# Altium PCB Layout.PcbDoc
Units mm, origin at the board's own origin, x right, y up, seen from the top; angles counter-clockwise.
Board outline 99.06 x 78.1 mm, 2 copper layers (Top Layer, Bottom Layer), stack 1.58 mm thick; 34 components, 51 nets, 264 pads, 203 vias.
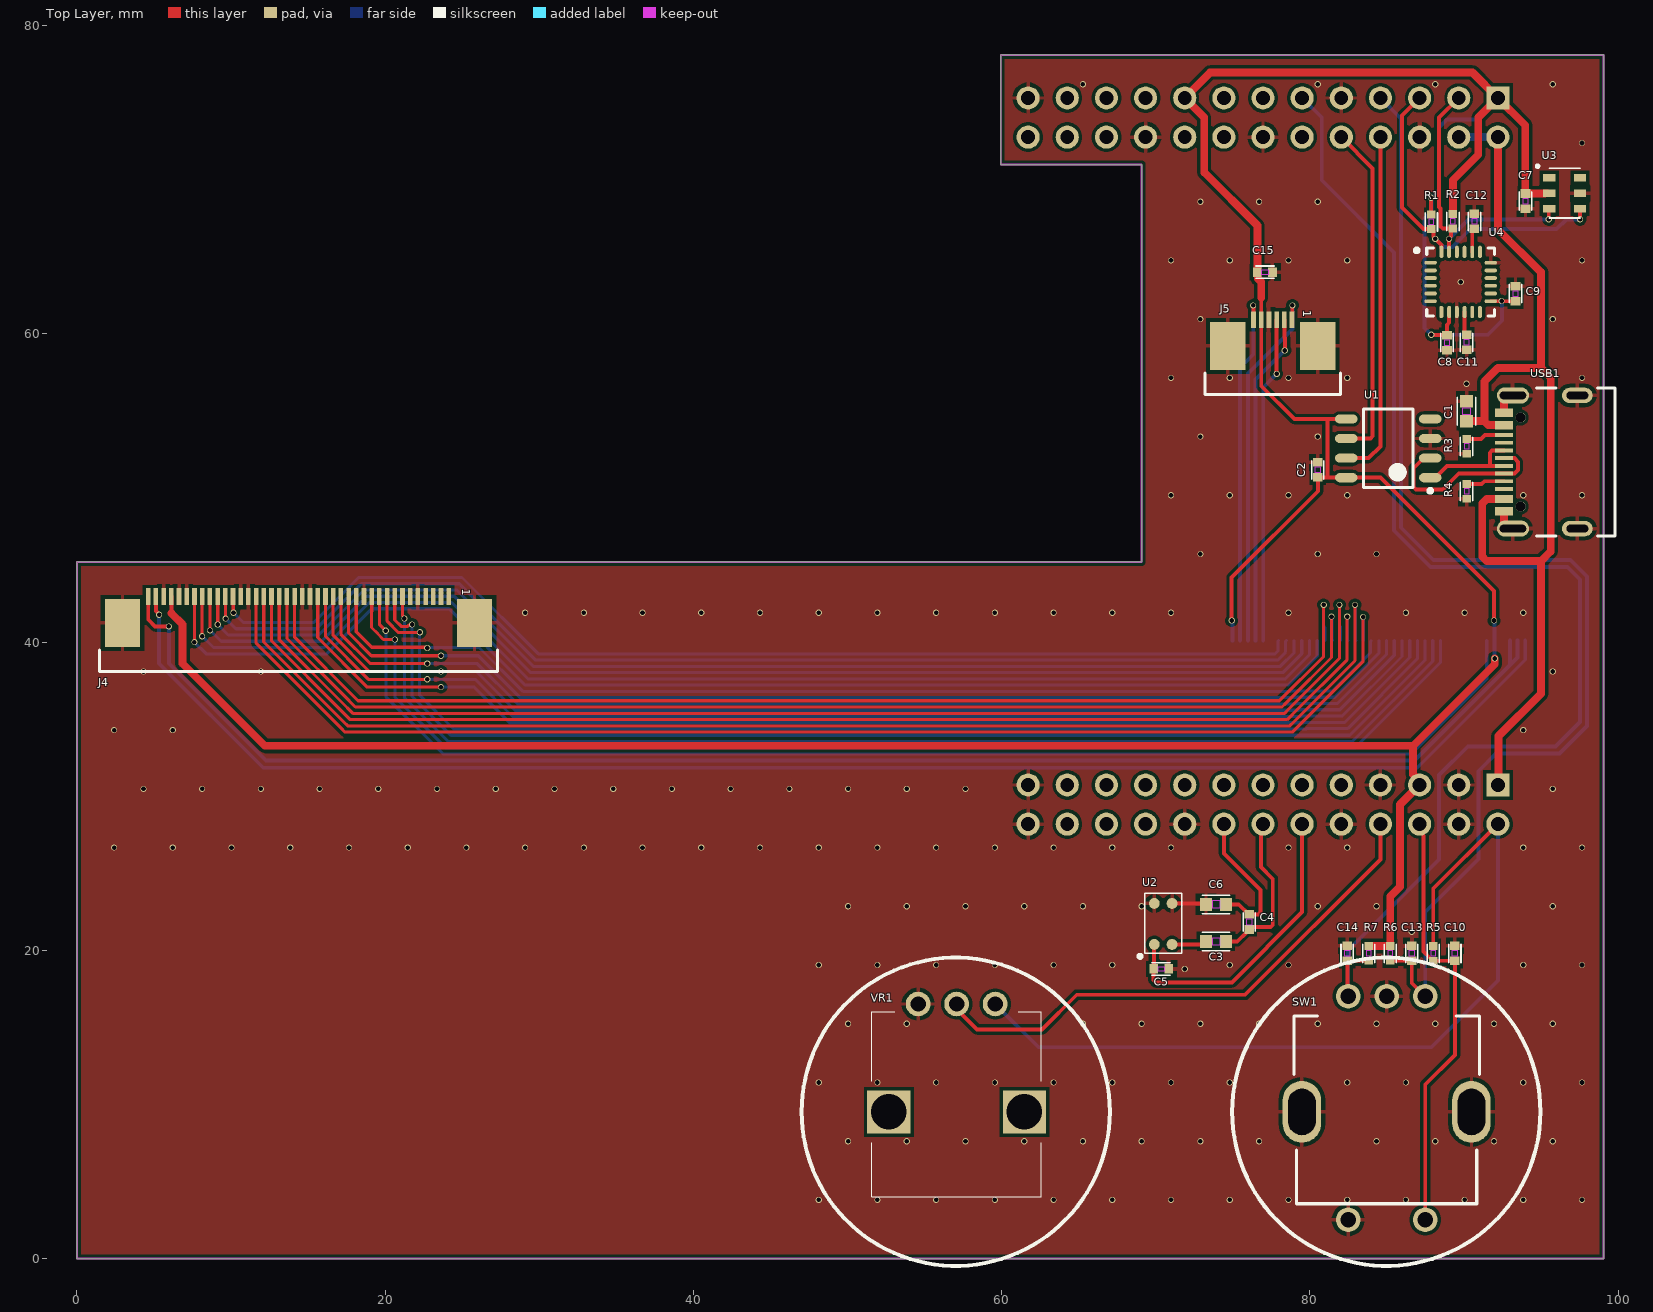
[diagram p0: Top Layer view]
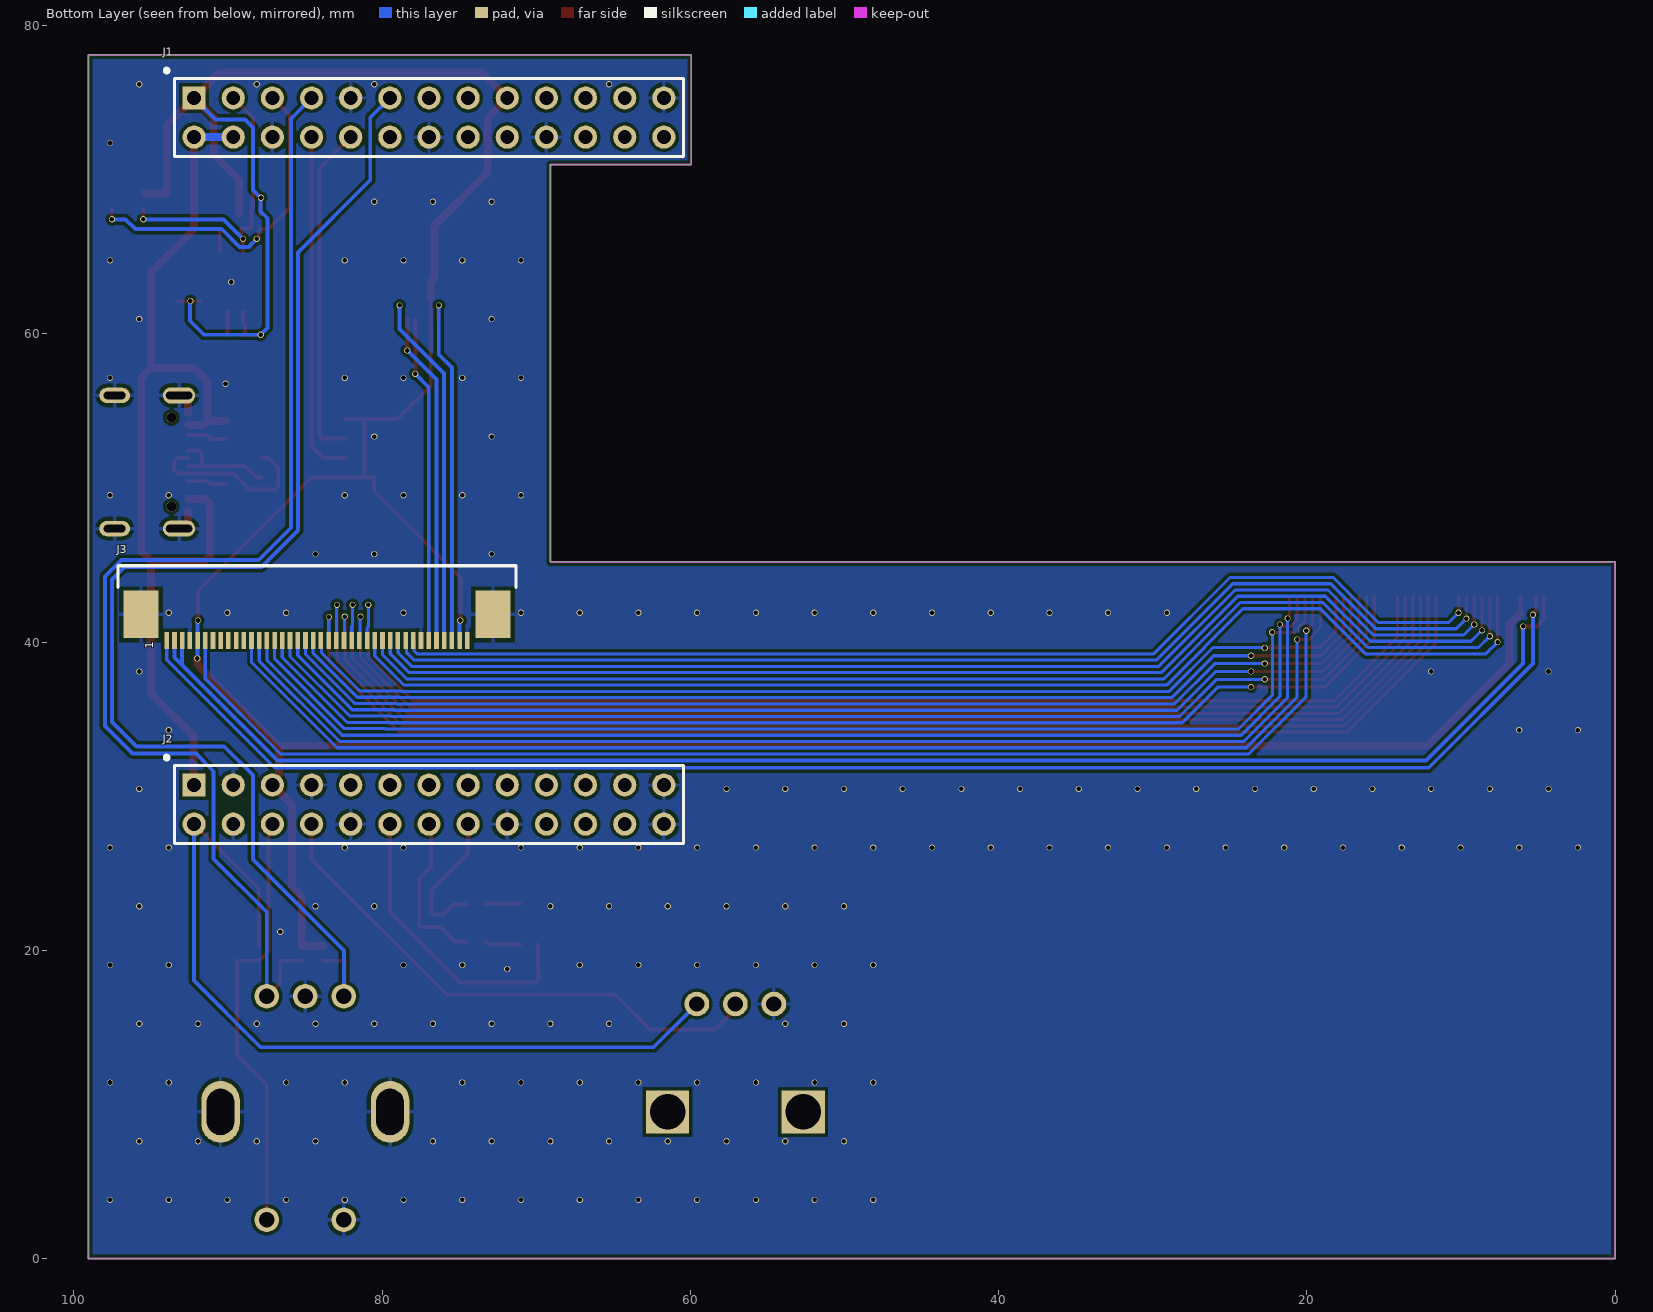
[diagram p1: Bottom Layer view, seen from below]
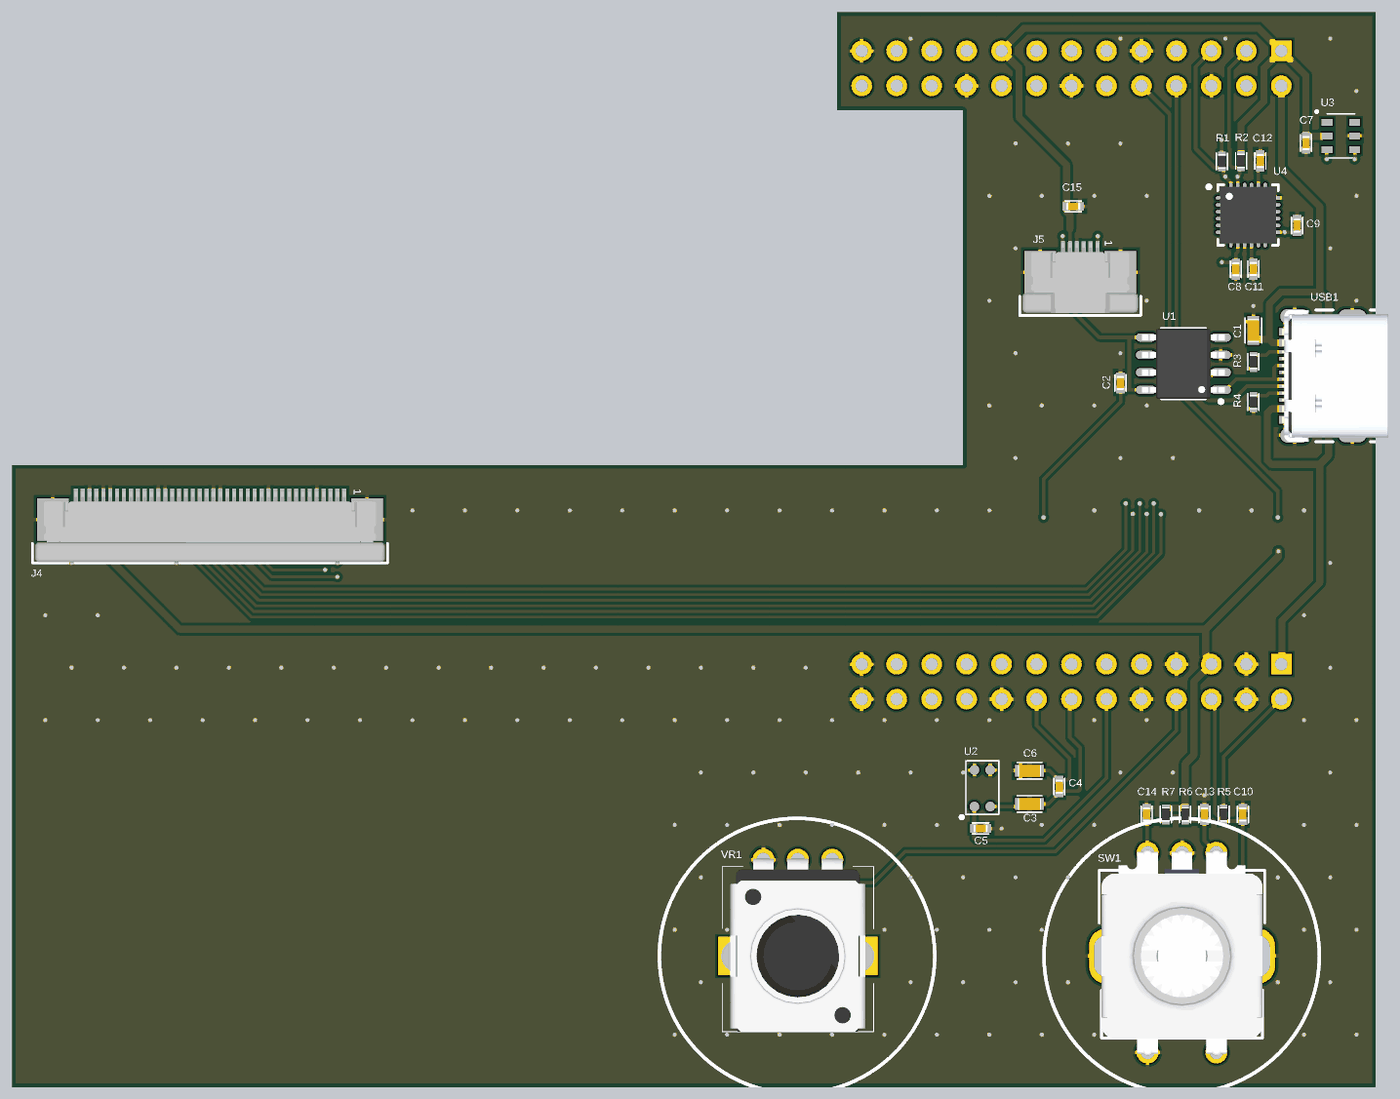
[diagram p2: 3D render of the assembled board from above, using the file's embedded part models]

## Layer stack, top to bottom
Top Solder: solder mask 0.0102, Solder Resist, Dk 3.5
Top Layer: signal copper 0.0356
Dielectric 1: dielectric 1.5088, FR-4, Dk 4.8
Bottom Layer: signal copper 0.0356
Bottom Solder: solder mask 0.0102, Solder Resist, Dk 3.5

## Board outline
0,0 0,45.212 69.088,45.212 69.088,70.993 59.944,70.993 59.944,78.105 99.06,78.105 99.06,0

## Design rules (kind name [scope] priority, off if disabled: settings)
Clearance [All] p1: gap=0.203 ignorepadtopadclearanceinfootprint=TRUE
HoleSize [All] p1: absolutevalues=TRUE maxlimit=25.4 minlimit=0.025 maxpercent=80.000 minpercent=20.000
MinimumSolderMaskSliver [All] p1 off: minsoldermaskwidth=0.254
PolygonConnect [All] p1: thpad.connectstyle=Relief thpad.reliefconductorwidth=0.254 thpad.reliefentries=4 thpad.polygonreliefangle="90 Angle" thpad.airgapwidth=0.254 smdpad.connectstyle=Relief smdpad.reliefconductorwidth=0.254 smdpad.reliefentries=4 smdpad.polygonreliefangle="90 Angle" smdpad.airgapwidth=0.254 via.connectstyle=Direct via.reliefconductorwidth=0.254 via.reliefentries=4 via.polygonreliefangle="90 Angle" via.airgapwidth=0.254
RoutingVias [All] p1: holewidth=0.3 width=0.4 viastyle="Through Hole" minholewidth=0.3 minwidth=0.4 maxholewidth=100 maxwidth=25.4
SilkToSilkClearance [All] p1 off: silktosilkclearance=0.254
SilkToSolderMaskClearance [IsPad] p1 off: minsilkscreentomaskgap=0.254 clearancetoexposedcopper=TRUE
SolderMaskExpansion [All] p1: expansion=0.102 istentingtop=FALSE
Width [All] p1: maxlimit=2.54 minlimit=0.152 preferedwidth=0.203
26 further rules are at their usual default settings.

## Components (designator, comment, footprint, x,y, rotation, side; value= is the part's Value field where it differs from the comment)
C1 "22uF" CAP-0603 90.17,54.991 r270 top
C2 "100nF" CAP-0402 80.518,51.181 r270 top
C3 "22uF" CAP-0603 73.914,20.574 r0 top
C4 "10pF" CAP-0402 76.073,21.844 r270 top
C5 "100nF" CAP-0402 70.358,18.796 r180 top
C6 "22uF" CAP-0603 73.914,22.987 r0 top
C7 "100nF" CAP-0402 93.996,68.619 r90 top
C8 "100nF" CAP-0402 88.9,59.436 r90 top
C9 "100nF" CAP-0402 93.345,62.611 r270 top
C10 "100nF" CAP-0402 89.408,19.812 r90 top
C11 "2.2nF" CAP-0402 90.17,59.454 r270 top
C12 "100nF" CAP-0402 90.678,67.31 r90 top
C13 "100nF" CAP-0402 86.614,19.812 r90 top
C14 "100nF" CAP-0402 82.423,19.812 r90 top
C15 "100nF" CAP-0402 77.089,64.008 r180 top
J1 "PZ254V-12-26P" "Conn 26P-2x13P-2.54H" 80.772,74.041 r180 bottom
J2 "PZ254V-12-26P" "Conn 26P-2x13P-2.54H" 80.772,29.464 r180 bottom
J3 "AFC07-S40ECC-00" "FPC - 40P, 0.5mm, top" 84.201,42.291 r0 bottom
J4 "AFC07-S40FCC-00" "FPC - 40P, 0.5mm, bot" 14.351,40.767 r0 top
J5 "AFC07-S06ECC-00" FPC-6P-0.5-TOP 77.597,60.071 r0 top
R1 "4.7K" RES-0402 87.884,67.277 r90 top
R2 "4.7K" RES-0402 89.281,67.31 r90 top
R3 "5.1K" RES-0402 90.17,52.705 r270 top
R4 "5.1K" RES-0402 90.17,49.784 r90 top
R5 "10K" RES-0402 88.011,19.812 r270 top
R6 "10K" RES-0402 85.217,19.812 r270 top
R7 "10K" RES-0402 83.82,19.812 r270 top
SW1 "EC11E1534408" EC11 84.989,17.02 r180 top
U1 "CH340N" SOP-8 85.09,52.578 r180 top
U2 "AP3722AT" AP3722AT 70.485,21.717 r180 top
U3 "AHT30" AHT30 96.536,69.127 r0 top
U4 "MPU-6050" QFN24-4x4MM 89.789,63.373 r0 top
USB1 "918-418K2023S40001" "1 FEMALE USB -C 16" 94.982,51.689 r90 top
VR1 "50K" "Vertical Potentiometer type 1" 57.082,13.02 r180 top

## Footprints (in the part's own frame and the unit in brackets; to place one, negate y for a bottom-side part, rotate by r counter-clockwise, add the part's x,y. Pads: shape width x height; smd on the part's side, far side on the other; paste and mask are expansions set on the pad)
"1 FEMALE USB -C 16" [mm]
  rect 0.55x1.15 smd: "A1 - B12"(-3.2,2.377) "A4 - B9"(-2.4,2.377) "A9 - B4"(2.4,2.377) "A12 - B1"(3.2,2.377)
  rect 0.25x1.15 smd: A5(-1.25,2.377) A6(-0.25,2.377) A7(0.25,2.377) A8(1.25,2.377) B5(1.75,2.377) B6(0.75,2.377) B7(-0.75,2.377) B8(-1.75,2.377)
  oval 1x2 hole 0.5 slot 1.4 at 90 deg: Shell(-4.32,-2.378) Shell(4.32,-2.378)
  oval 1x2 on Top Paste: Shell(-4.32,-2.378) Shell(4.32,-2.378)
  oval 1.05x2.1 hole 0.5 slot 1.7 at 90 deg: Shell(-4.32,1.802) Shell(4.32,1.802)
  oval 1.05x2.1 on Top Paste: Shell(-4.32,1.802) Shell(4.32,1.802)
  round 0.65 hole 0.65 unplated: ""(-2.89,1.302) ""(2.89,1.302)
  silkscreen extent -4.79,-4.83 4.79,0.27, body extent -4.79,-4.96 4.79,2.75, height 3.31
AHT30 [mm]
  rect 0.8x0.5 smd: 1(-1,1) 2(-1,0) 3(-1,-1) 4(1,-1) 5(1,0) 6(1,1)
  silkscreen extent -1.84,-1.6 1,1.84, body extent -1.5,-1.5 1.5,1.5, height 1
AP3722AT [mm]
  round 0.7 smd: 1(0.575,1.33) 2(0.575,-1.33) 3(-0.575,-1.33) 4(-0.575,1.33)
  silkscreen extent -1.2,-2 1.6,2.2, body extent -1.12,-1.88 1.12,1.88, height 0.87
CAP-0402 [mm] "Chip Capacitor, 2-Leads, Body 1.00x0.50mm, IPC High Density"
  rect 0.56x0.62 smd mask+0.051: 1(-0.49,0) 2(0.49,0)
  Top Layer keep-out region: -0.2,0.152 0.2,0.152 0.2,-0.152 -0.2,-0.152
  silkscreen extent -0.6,-0.4 0.6,0.4, body extent -0.53,-0.28 0.53,0.28, height 0.5
CAP-0603 [mm] "Chip Capacitor, 2-Leads, Body 1.60x0.80mm, IPC High Density"
  rect 0.8x0.85 smd: 1(-0.65,0) 2(0.65,0)
  Top Layer keep-out region: -0.229,0.254 0.229,0.254 0.229,-0.254 -0.229,-0.254
  silkscreen extent -0.9,-0.6 0.9,0.6, body extent -0.85,-0.45 0.85,0.45, height 0.8
"Conn 26P-2x13P-2.54H" [mm]
  rect 1.5x1.5 hole 0.9: 1(-11.43,1.27)
  round 1.5 hole 0.9: 2(-11.43,-1.27) 3(-8.89,1.27) 4(-8.89,-1.27) 5(-6.35,1.27) 6(-6.35,-1.27) 7(-3.81,1.27) 8(-3.81,-1.27) 9(-1.27,1.27) 10(-1.27,-1.27) 11(1.27,1.27) 12(1.27,-1.27) 13(3.81,1.27) 14(3.81,-1.27) 15(6.35,1.27) 16(6.35,-1.27) 17(8.89,1.27) 18(8.89,-1.27) 19(11.43,1.27) 20(11.43,-1.27) 21(13.97,1.27) 22(13.97,-1.27) 23(16.51,1.27) 24(16.51,-1.27) 25(19.05,1.27) 26(19.05,-1.27)
  silkscreen extent -13.31,-2.54 20.32,3.15, body extent -12.7,-2.54 20.32,2.54, height 7
EC11 [mm] "Encoder"
  oval 2.5x4 hole 1.8 slot 3 at 90 deg: 0(-5.5,7.5) 0(5.5,7.5)
  round 1.6 hole 1: A(-2.5,0) B(2.5,0) C(0,0) D(-2.5,14.5) E(2.5,14.5)
  silkscreen extent -6.01,1.27 6.01,13.46, body extent -5.86,-0.23 5.86,14.72, height 19.5
"FPC - 40P, 0.5mm, bot" [mm]
  rect 2.3x3.1 smd mask+0.076: 0(-11.393,0.484) 0(11.447,0.484)
  rect 0.3x1.1 smd mask+0.025: 1(9.777,2.184) 2(9.277,2.184) 3(8.777,2.184) 4(8.277,2.184) 5(7.777,2.184) 6(7.277,2.184) 7(6.777,2.184) 8(6.277,2.184) 9(5.777,2.184) 10(5.277,2.184) 11(4.777,2.184) 12(4.277,2.184) 13(3.777,2.184) 14(3.277,2.184) 15(2.777,2.184) 16(2.277,2.184) 17(1.777,2.184) 18(1.277,2.184) 19(0.777,2.184) 20(0.277,2.184) 21(-0.223,2.184) 22(-0.723,2.184) 23(-1.223,2.184) 24(-1.723,2.184) 25(-2.223,2.184) 26(-2.723,2.184) 27(-3.223,2.184) 28(-3.723,2.184) 29(-4.223,2.184) 30(-4.723,2.184) 31(-5.223,2.184) 32(-5.723,2.184) 33(-6.223,2.184) 34(-6.723,2.184) 35(-7.223,2.184) 36(-7.723,2.184) 37(-8.223,2.184) 38(-8.723,2.184) 39(-9.223,2.184) 40(-9.723,2.184)
  silkscreen extent -12.87,-2.67 12.93,-1.27, body extent -12.69,-2.62 12.74,2.49, height 2.05
"FPC - 40P, 0.5mm, top" [mm]
  rect 2.3x3.1 smd mask+0.076: 0(-11.393,0.484) 0(11.447,0.484)
  rect 0.3x1.1 smd mask+0.025: 1(9.777,2.184) 2(9.277,2.184) 3(8.777,2.184) 4(8.277,2.184) 5(7.777,2.184) 6(7.277,2.184) 7(6.777,2.184) 8(6.277,2.184) 9(5.777,2.184) 10(5.277,2.184) 11(4.777,2.184) 12(4.277,2.184) 13(3.777,2.184) 14(3.277,2.184) 15(2.777,2.184) 16(2.277,2.184) 17(1.777,2.184) 18(1.277,2.184) 19(0.777,2.184) 20(0.277,2.184) 21(-0.223,2.184) 22(-0.723,2.184) 23(-1.223,2.184) 24(-1.723,2.184) 25(-2.223,2.184) 26(-2.723,2.184) 27(-3.223,2.184) 28(-3.723,2.184) 29(-4.223,2.184) 30(-4.723,2.184) 31(-5.223,2.184) 32(-5.723,2.184) 33(-6.223,2.184) 34(-6.723,2.184) 35(-7.223,2.184) 36(-7.723,2.184) 37(-8.223,2.184) 38(-8.723,2.184) 39(-9.223,2.184) 40(-9.723,2.184)
  silkscreen extent -12.87,-2.67 12.93,-1.27, body extent -12.69,-2.62 12.74,2.49, height 2.05
FPC-6P-0.5-TOP [mm]
  rect 2.3x3.1 smd mask+0.076: 0(-2.92,-0.85) 0(2.92,-0.85)
  rect 0.3x1.1 smd mask+0.025: 1(1.25,0.85) 2(0.75,0.85) 3(0.25,0.85) 4(-0.25,0.85) 5(-0.75,0.85) 6(-1.25,0.85)
  silkscreen extent -4.4,-4 4.4,-2.6, body extent -4.22,-3.81 4.22,1.3, height 2.05
QFN24-4x4MM [mm]
  oval 0.8x0.25 smd: 1(-1.95,1.25) 2(-1.95,0.75) 3(-1.95,0.25) 4(-1.95,-0.25) 5(-1.95,-0.75) 6(-1.95,-1.25) 13(1.95,-1.25) 14(1.95,-0.75) 15(1.95,-0.25) 16(1.95,0.25) 17(1.95,0.75) 18(1.95,1.25)
  oval 0.25x0.8 smd: 7(-1.25,-1.95) 8(-0.75,-1.95) 9(-0.25,-1.95) 10(0.25,-1.95) 11(0.75,-1.95) 12(1.25,-1.95) 19(1.25,1.95) 20(0.75,1.95) 21(0.25,1.95) 22(-0.25,1.95) 23(-0.75,1.95) 24(-1.25,1.95)
  silkscreen extent -2.97,-2.2 2.2,2.2, body extent -2.06,-2.06 2.06,2.06, height 0.9
RES-0402 [mm]
  rect 0.5x0.55 smd mask+0.051: 1(-0.475,0) 2(0.475,0)
  Top Layer keep-out region: -0.2,0.127 0.2,0.127 0.2,-0.127 -0.2,-0.127
  silkscreen extent -0.6,-0.4 0.6,0.4, body extent -0.53,-0.28 0.53,0.28, height 0.35
SOP-8 [mm]
  oval 1.45x0.6 smd: 1(-2.725,1.905) 2(-2.725,0.635) 3(-2.725,-0.635) 4(-2.725,-1.905) 5(2.725,-1.905) 6(2.725,-0.635) 7(2.725,0.635) 8(2.725,1.905)
  silkscreen extent -2.85,-2.55 1.6,2.88, body extent -3,-2.55 3,2.55, height 1.5
"Vertical Potentiometer type 1" [mm]
  rect 2.8x2.8 hole 2.3: 0(-4.4,3.5) 0(4.4,3.5)
  round 1.6 hole 1: 1(-2.5,-3.5) 2(0,-3.5) 3(2.5,-3.5)
  silkscreen extent -5.5,-3 5.5,9, body extent -5.66,-3.6 5.66,9, height 3.4

## Part data
C1 C3 C6: library part 0603X226M6R3CT, "22uF ±20% 6.3V X5R 0603 Multilayer Ceramic Capacitors MLCC - SMD/SMT RoHS", Manufacture=WALSIN, Package=0603, Package / Case=0402, Voltage=6.3V, Capacitor value=22uF, Component type=Capacitor, Manufacture part=0603X226M6R3CT
C2 C5 C7 C8 C9 C10 C12 C13 C14 C15: library part 0402X104K250CT, "100nF ±10% 25V X5R 0402 Multilayer Ceramic Capacitors MLCC - SMD/SMT RoHS", Manufacture=WALSIN, Package=0402, Voltage=25V, Capacitor value=100nF, Component type=Capacitor, Manufacture part=0402X104K250CT, Package / Case=0402
C4: library part 0402N100J500CT, "10pF ±5% 50V NP0 0402 Multilayer Ceramic Capacitors MLCC - SMD/SMT RoHS", Manufacture=WALSIN, Package=0402, Voltage=50V, Capacitor value=10pF, Component type=Capacitor, Manufacture part=0402N100J500CT, Package / Case=0402
C11: library part 0402B222K500CT, "50V 2.2nF X7R ±10% 0402 Multilayer Ceramic Capacitors MLCC - SMD/SMT ROHS", Manufacture=WALSIN, Package=0402, Voltage=50V, Capacitor value=2.2nF, Component type=Capacitor, Manufacture part=0402B222K500CT, Package / Case=0402
J1 J2: "Pin Header 26 2 Straight，180degrees 2.54mm Through Hole,P=2.54mm Pin Header & Female Header RoHS", Manufacture=XFCN, Datasheet=https://datasheet.lcsc.com/lcsc/2003141409_XFCN-PZ254V-11-02P_C492401.pdf, Manufacture part=PZ254V-12-26P, Type="Pin Header"
J3: "Contact,Top 40 0.020\"（0.50mm） 0.079\"（2.00mm） Slide Lock 40P FFC, FPC Connectors RoHS", Manufacture=JUSHUO, Datasheet=https://datasheet.lcsc.com/lcsc/JUSHUO-AFC07-S40ECC-00_C11097.pdf, Manufacture part=AFC07-S40ECC-00, Type=FPC
J4: "Bottom Contact 40 0.020\"（0.50mm） 0.079\"（2.00mm） Slide Lock 40P FFC, FPC Connectors RoHS", Manufacture=JUSHUO, Datasheet=https://datasheet.lcsc.com/lcsc/JUSHUO-AFC07-S40FCC-00_C11062.pdf, Manufacture part=AFC07-S40FCC-00, Type=FPC
J5: "Slide Lock Contact,Top 6P (0.50mm) FFC/FPC Connectors ROHS", Manufacture=JUSHUO, Datasheet=https://datasheet.lcsc.com/lcsc/1811021327_JUSHUO-AFC07-S06ECC-00_C11083.pdf, Manufacture part=AFC07-S06ECC-00, Type=FPC
R1 R2: library part WR04X4701FTL, "4.7kΩ ±1% 1/16W ±100ppm/℃ 0402 Chip Resistor - Surface Mount RoHS", Manufacture=WALSIN, Package=0402, Package / Case=0201, Component type=Resistor, Manufacture part=WR04X4701FTL, Resistor value=4.7K
R3 R4: library part WR04X5101FTL, "5.1kΩ ±1% 1/16W ±100ppm/℃ 0402 Chip Resistor - Surface Mount RoHS", Manufacture=WALSIN, Package=0402, Package / Case=0201, Component type=Resistor, Manufacture part=WR04X5101FTL, Resistor value=5.1K
R5 R6 R7: library part WR04X1002FTL, "10kΩ ±1% 1/16W ±100ppm/℃ 0402 Chip Resistor - Surface Mount RoHS", Manufacture=WALSIN, Package=0402, Package / Case=0201, Component type=Resistor, Manufacture part=WR04X1002FTL, Resistor value=10K
SW1: "DIP Rotary Encoders", Manufacture=ALPSALPINE, Datasheet=https://datasheet.lcsc.com/lcsc/1809181724_ALPSALPINE-EC11E1534408_C278348.pdf, Manufacture part=EC11E1534408, Type="Rotary Encoders"
U1: "Transceiver USB 2.0 2Mbps SOP-8 USB ICs RoHS", Manufacture=WCH, Package=SOP-8, Datasheet=https://datasheet.lcsc.com/lcsc/2202231130_WCH-Jiangsu-Qin-Heng-CH340N_C2977777.pdf, Manufacture part=CH340N
U2: "SMD,3.76x2.24x1.1mm MEMS Microphones ROHS", Manufacture="ALLPOWER(ShenZhen Quan Li Semiconductor)", Package=N/A, Datasheet=https://datasheet.lcsc.com/lcsc/2011200934_ALLPOWER-ShenZhen-Quan-Li-Semiconductor-AP3722AT_C918198.pdf, Manufacture part=AP3722AT
U3: "I2C Temperature and Humidity Sensor", Manufacture=Aosong, Package=3x3mm, Datasheet=https://github.com/libdriver/aht30/blob/main/datasheet/aht30_datasheet.pdf, Manufacture part=AHT30
U4: "6-axis accelerometer/gyroscope", Manufacture="TDK InvenSense", Package="QFN-24 (4x4)", Datasheet=https://datasheet.lcsc.com/lcsc/1811071024_TDK-InvenSense-MPU-6050_C24112.pdf, Manufacture part=MPU-6050
USB1: "USB - Type C Female 16 SMD USB Connectors RoHS", Manufacture="Jing Extension of the Electronic Co.", Datasheet=https://datasheet.lcsc.com/lcsc/2103051833_Jing-Extension-of-the-Electronic-Co-918-418K2023S40001_C167321.pdf, Manufacture part=918-418K2023S40001, Type=USB-C
VR1: library part RK09D1130C4G, "20V ±20% 50mW 50kΩ Plugin Variable Resistors/Potentiometers ROHS", Manufacture=ALPSALPINE, Package=Potentiometer, Manufacture part=RK09D1130C4G, Resistor value=50K

## Via types
v1: diameter 0.4, hole 0.3, Top Layer to Bottom Layer, tented both sides, 203 vias

## Nets (pads, with @x,y where several pads share a name; then routed paths per layer and width w, separated by ;. In a path a pad name is that pad's centre, name@x,y a point inside that pad or via, vN(x,y) a via of type N, cw(c..) or ccw(c..) an arc to the next point about the centre after c; other vN are vias at no path point)
1V8: J2.2 R5.1 VR1.1 | length 55.4
  Top Layer w0.254: R5.1 88.011,24.003 J2.2
  Bottom Layer w0.254: VR1.1 62.386,13.716 87.884,13.716 92.202,18.034 J2.2
3V3: C2.2 C7.2 C8.2 C9.2 C15.2 J1.1 J1.17 J2.5 J3.5 J3.39 J4.37 J5.5 R1.2 R2.2 R6.1 R7.1 U1.5 U1.8 U3.2 U4.8 U4.13 | length 241.6
  Top Layer w0.254: 6.128,41.878 J4.37 ; v1(74.93,41.402) 74.93,44.196 80.527,49.793 80.527,50.682 81.158,50.682 ; 76.847,62.345 J5.5 76.847,59.829 76.847,56.63 78.994,54.483 81.158,54.483 ; U1.8 84.582,50.673 91.948,43.307 v1(91.948,41.402) ; U1.8@82.365,50.682 81.158,50.682 ; U1.5 81.158,54.483 ; v1(87.862,68.834) 87.873,68.823 87.873,67.763 R1.2 ; v1(87.884,59.944) 87.893,59.935 88.891,59.935 C8.2 88.9,60.587 89.037,60.724 89.037,61.421 U4.8 ; U4.13 91.74,62.122 C9.2 C9.2 ; 81.158,50.682 81.158,54.483
  Top Layer w0.508: 6.128,41.878 6.858,41.148 6.858,38.608 12.192,33.274 86.701,33.274 ; 76.847,62.345 76.847,63.373 76.625,63.595 76.625,63.982 C15.2 76.599,67.038 73.152,70.485 73.152,74.041 J1.17 73.533,76.962 90.551,76.962 J1.1 ; R7.1 R6.1 85.217,23.495 85.852,24.13 85.852,29.464 J2.5 87.122,31.002 86.701,31.423 86.701,33.274 ; R2.2 89.281,69.977 90.932,71.628 90.932,74.041 J1.1 ; v1(91.999,38.938) 91.999,38.572 86.701,33.274 ; U3.2@95.39,69.123 95.235,69.123 95.221,69.109 93.98,69.109 93.98,73.533 J1.1
  Bottom Layer w0.254: v1(74.93,41.402) 74.978,41.354 J3.39 ; v1(87.862,68.834) 87.884,68.812 87.884,67.935 87.452,67.503 87.452,60.376 v1(87.884,59.944) 91.567,59.944 92.477,60.854 92.477,62 92.474,62.002 92.474,62.106 v1(92.446,62.134) ; v1@87.884,68.834 88.392,69.342 88.392,73.406 88.9,73.914 90.805,73.914 J1.1 ; v1(91.948,41.402) 91.978,41.372 J3.5 91.989,40.097 91.989,38.948 v1(91.999,38.938)
5V: "USB1.A4 - B9" "USB1.A9 - B4" C1.2 J1.2 J1.4 J2.1 | length 65.5
  Top Layer w0.508: C1.2 91.328,54.341 ; J2.1 92.248,30.78 92.248,33.909 94.996,36.657 94.996,45.256 ; J1.2 92.202,66.802 94.996,64.008 94.996,57.785 ; 92.605,49.289 91.484,49.289 91.186,48.991 91.186,45.553 91.484,45.256 94.996,45.256 ; 92.605,54.089 91.58,54.089 91.328,54.341 ; 91.328,54.341 91.328,56.911 92.202,57.785 94.996,57.785 ; 94.996,45.256 95.631,45.891 95.631,57.15 94.996,57.785
  Bottom Layer w0.508: J1.4 J1.2
ADC0_1V8: C10.1 J2.6 R5.2 SW1.D | length 28.2
  Top Layer w0.254: J2.6 87.36,27.956 87.36,27.438 87.376,27.422 87.376,19.93 87.846,19.46 87.888,19.46 R5.2 88.018,19.33 89.4,19.33 C10.1 89.408,13.208 87.489,11.289 SW1.D
ADC1_1V8: J2.8 VR1.2 | length 35.5
  Top Layer w0.254: VR1.2@57.082,16.823 VR1.2 57.082,16.192 58.414,14.859 62.611,14.859 64.875,17.123 75.797,17.123 84.582,25.908 J2.8
Console_RX: J1.10 U1.6 | length 22
  Top Layer w0.254: J1.10 84.074,70.739 84.074,53.362 83.925,53.213 U1.6
Console_TX: J1.8 U1.7 | length 22.6
  Top Layer w0.254: U1.7 83.82,51.943 84.582,52.705 J1.8
GND: "USB1.A1 - B12" "USB1.A12 - B1" C1.1 C2.1 C5.1 C6.1 C7.1 C8.1 C9.1 C10.2 C11.2 C12.2 C13.2 C14.2 C15.1 J1.6 J1.9 J1.14 J1.20 J1.25 J2.3 J2.4 J2.7 J2.10 J2.18 J2.25 J2.26 J3.0 J3.4 J3.34 J3.40 J4.0 J4.5 J4.12 J4.19 J4.20 J4.27 J4.28 J4.35 J4.36 J4.38 J5.0 J5.4 R3.2 R4.1 SW1.0 SW1.C SW1.E U1.3 U2.2 U2.3 U3.5 U4.9 U4.18 USB1.Shell@93.18,47.369 USB1.Shell@93.18,56.009 USB1.Shell@97.36,47.369 USB1.Shell@97.36,56.009 VR1.3 | length 5.2
  Top Layer w0.254: U2.3 73.204,23.047 C6.1 ; USB1.Shell@92.605,47.737 92.972,47.369 USB1.Shell@93.18,47.369 ; USB1.Shell@92.605,55.641 92.972,56.009 USB1.Shell@93.18,56.009
  Top Layer w0.508: USB1.Shell@92.605,47.737 92.605,48.489 ; 92.605,54.889 USB1.Shell@92.605,55.641
  other v1: 48.133,3.81 51.943,3.81 55.753,3.81 59.563,3.81 63.373,3.81 67.183,3.81 70.993,3.81 74.803,3.81 78.613,3.81 82.423,3.81 86.233,3.81 90.043,3.81 93.853,3.81 97.663,3.81 50.038,7.62 53.848,7.62 57.658,7.62 61.468,7.62 65.278,7.62 69.088,7.62 72.898,7.62 76.708,7.62 84.328,7.62 88.138,7.62 91.948,7.62 95.758,7.62 48.133,11.43 51.943,11.43 55.753,11.43 59.563,11.43 63.373,11.43 67.183,11.43 70.993,11.43 74.803,11.43 82.423,11.43 86.233,11.43 93.853,11.43 97.663,11.43 50.038,15.24 53.848,15.24 65.278,15.24 69.088,15.24 72.898,15.24 76.708,15.24 80.518,15.24 84.328,15.24 88.138,15.24 91.948,15.24 95.758,15.24 71.882,18.796 48.133,19.05 51.943,19.05 55.753,19.05 59.563,19.05 63.373,19.05 67.183,19.05 74.803,19.05 78.613,19.05 93.853,19.05 97.663,19.05 86.614,21.209 50.038,22.86 53.848,22.86 57.658,22.86 61.468,22.86 65.278,22.86 69.088,22.86 80.518,22.86 84.328,22.86 95.758,22.86 2.413,26.67 6.223,26.67 10.033,26.67 13.843,26.67 17.653,26.67 21.463,26.67 25.273,26.67 29.083,26.67 32.893,26.67 36.703,26.67 40.513,26.67 44.323,26.67 48.133,26.67 51.943,26.67 55.753,26.67 59.563,26.67 63.373,26.67 67.183,26.67 70.993,26.67 78.613,26.67 82.423,26.67 93.853,26.67 97.663,26.67 4.318,30.48 8.128,30.48 11.938,30.48 15.748,30.48 19.558,30.48 23.368,30.48 27.178,30.48 30.988,30.48 34.798,30.48 38.608,30.48 42.418,30.48 46.228,30.48 50.038,30.48 53.848,30.48 57.658,30.48 95.758,30.48 2.413,34.29 6.223,34.29 93.853,34.29 4.318,38.1 11.938,38.1 95.758,38.1 29.083,41.91 32.893,41.91 36.703,41.91 40.513,41.91 44.323,41.91 48.133,41.91 51.943,41.91 55.753,41.91 59.563,41.91 63.373,41.91 67.183,41.91 70.993,41.91 78.613,41.91 86.233,41.91 90.043,41.91 93.853,41.91 72.898,45.72 80.518,45.72 84.328,45.72 70.993,49.53 74.803,49.53 78.613,49.53 82.423,49.53 93.853,49.53 97.663,49.53 72.898,53.34 80.518,53.34 90.17,56.769 70.993,57.15 74.803,57.15 78.613,57.15 82.423,57.15 97.663,57.15 72.898,60.96 95.758,60.96 89.789,63.373 70.993,64.77 74.803,64.77 78.613,64.77 82.423,64.77 97.663,64.77 72.898,68.58 76.708,68.58 80.518,68.58 97.663,72.39 65.278,76.2 80.518,76.2 88.138,76.2 95.758,76.2
IO_0: C13.1 J1.7 R6.2 SW1.A | length 79.9
  Top Layer w0.254: R6.2 85.224,19.33 86.606,19.33 C13.1 86.614,17.895 SW1.A
  Bottom Layer w0.254: J1.7 85.928,73.965 85.928,47.422 88.011,45.339 96.92,45.339 97.993,44.266 97.993,34.558 96.201,32.766 92.075,32.766 90.932,31.623 90.932,25.939 87.489,22.496 SW1.A
IO_1: C14.1 J1.11 R7.2 SW1.B | length 84.3
  Top Layer w0.254: SW1.B 82.456,17.053 82.456,19.289 C14.1 82.431,19.33 83.813,19.33 R7.2
  Bottom Layer w0.254: J1.11 80.772,74.041 80.772,69.977 85.471,65.278 85.471,47.232 87.822,44.882 96.731,44.882 97.536,44.076 97.536,34.817 95.942,33.223 90.246,33.223 88.392,31.369 88.392,25.908 82.489,20.005 SW1.B
LCD_CLK: J3.12 J4.11 | length 80.5
  Top Layer w0.203: J4.11 19.128,41.981 19.118,41.971 19.118,40.953 19.533,40.538 19.533,40.53 19.888,40.175 v1(20.633,40.175)
  Bottom Layer w0.203: v1(20.633,40.175) 20.633,36.444 23.93,33.147 82.931,33.147 88.478,38.694 J3.12
LCD_DB0: J3.16 J4.18 | length 78.7
  Top Layer w0.203: J4.18 15.628,40.299 18.843,37.084 v1(23.622,37.084)
  Bottom Layer w0.203: v1(23.622,37.084) 25.781,37.084 28.092,34.773 79.596,34.773 79.622,34.798 82.283,34.798 86.487,39.002 86.487,40.098 J3.16
LCD_DB1: J3.17 J4.17 | length 77.2
  Top Layer w0.203: J4.17 16.128,40.374 18.913,37.589 v1(22.733,37.589)
  Bottom Layer w0.203: v1(22.733,37.589) 25.851,37.589 28.261,35.179 79.428,35.179 79.453,35.204 82.115,35.204 85.978,39.068 J3.17
LCD_DB2: J3.18 J4.16 | length 75.8
  Top Layer w0.203: J4.16 16.628,40.449 18.977,38.1 v1(23.622,38.1)
  Bottom Layer w0.203: v1(23.622,38.1) 25.914,38.1 28.429,35.585 79.26,35.585 79.285,35.611 81.946,35.611 85.478,39.142 J3.18
LCD_DB3: J3.19 J4.15 | length 74.4
  Top Layer w0.203: J4.15 17.128,40.524 19.047,38.605 v1(22.733,38.605)
  Bottom Layer w0.203: v1(22.733,38.605) 25.984,38.605 28.597,35.992 79.091,35.992 79.117,36.017 81.778,36.017 84.978,39.217 J3.19
LCD_DB4: J3.20 J4.14 | length 73
  Top Layer w0.203: J4.14 17.628,40.598 19.11,39.116 v1(23.622,39.116)
  Bottom Layer w0.203: v1(23.622,39.116) 26.048,39.116 28.766,36.398 78.923,36.398 78.948,36.424 81.61,36.424 84.478,39.292 J3.20
LCD_DB5: J3.21 J4.13 | length 71.6
  Top Layer w0.203: J4.13 18.128,40.673 19.131,39.67 22.56,39.67 22.572,39.658 22.695,39.658 v1(22.733,39.621)
  Bottom Layer w0.203: v1(22.733,39.621) 22.762,39.649 26.089,39.649 28.934,36.805 78.755,36.805 78.78,36.83 81.441,36.83 83.933,39.321 83.933,40.062 J3.21
LCD_DB6: J3.22 J4.26 | length 83.6
  Top Layer w0.203: J4.26 11.628,39.934 16.891,34.671 17.145,34.417 17.399,34.163 78.867,34.163 79.121,34.417 79.375,34.671 83.459,38.755 v1(83.459,41.636)
  Bottom Layer w0.203: v1(83.459,41.636) 83.469,41.626 83.469,40.117 J3.22
LCD_DB7: J3.23 J4.25 | length 83.7
  Top Layer w0.203: J4.25 12.128,40.009 17.059,35.077 17.313,34.823 17.567,34.569 78.699,34.569 78.953,34.823 79.207,35.077 82.931,38.802 v1(82.931,42.418)
  Bottom Layer w0.203: v1(82.931,42.418) 82.954,42.395 82.954,40.131 J3.23
LCD_DB8: J3.24 J4.24 | length 80.7
  Top Layer w0.203: J4.24 12.628,40.083 17.228,35.484 17.482,35.23 17.736,34.976 78.53,34.976 78.784,35.23 79.038,35.484 82.423,38.868 v1(82.423,41.656)
  Bottom Layer w0.203: v1(82.423,41.656) 82.45,41.629 82.45,40.135 J3.24
LCD_DB9: J3.25 J4.23 | length 80.8
  Top Layer w0.203: J4.23 13.128,40.158 17.396,35.89 17.65,35.636 17.904,35.382 78.362,35.382 78.616,35.636 78.87,35.89 81.915,38.935 v1(81.915,42.418)
  Bottom Layer w0.203: v1(81.915,42.418) 81.915,41.069 81.978,41.006 J3.25
LCD_DB10: J3.26 J4.22 | length 77.9
  Top Layer w0.203: J4.22 13.628,40.233 17.564,36.297 17.818,36.043 18.072,35.789 78.194,35.789 78.448,36.043 78.702,36.297 81.407,39.002 81.407,41.655 v1(81.41,41.658)
  Bottom Layer w0.203: v1(81.41,41.658) 81.442,41.625 81.442,40.143 J3.26
LCD_DB11: J3.27 J4.21 | length 78
  Top Layer w0.203: J4.21 14.128,40.308 18.241,36.195 78.025,36.195 80.899,39.069 v1(80.899,42.418)
  Bottom Layer w0.203: v1(80.899,42.418) 80.899,41.021 80.978,40.942 J3.27
LCD_DB12: J3.28 J4.34 | length 81.2
  Top Layer w0.203: v1(7.62,40.005) 7.62,41.278 7.624,41.282 7.624,42.947 J4.34
  Bottom Layer w0.203: v1(7.62,40.005) 8.382,39.243 16.209,39.243 19.13,42.164 24.149,42.164 29.102,37.211 78.586,37.211 80.478,39.103 J3.28
LCD_DB13: J3.29 J4.33 | length 79.6
  Top Layer w0.203: v1(8.128,40.386) J4.33
  Bottom Layer w0.203: v1(8.128,40.386) 8.865,39.649 16.04,39.649 18.834,42.443 18.961,42.57 24.318,42.57 24.445,42.443 29.271,37.617 78.418,37.617 79.978,39.178 J3.29
LCD_DB14: J3.30 J4.32 | length 77.9
  Top Layer w0.203: v1(8.636,40.767) 8.632,40.771 8.632,42.938 J4.32@8.636,42.942
  Bottom Layer w0.203: v1(8.636,40.767) 9.347,40.056 15.872,40.056 18.666,42.85 18.793,42.977 24.486,42.977 24.613,42.85 29.439,38.024 78.25,38.024 79.478,39.252 J3.30
LCD_DB15: J3.31 J4.31 | length 76.3
  Top Layer w0.203: J4.31 9.136,42.942 9.136,41.156 v1(9.144,41.148)
  Bottom Layer w0.203: v1(9.144,41.148) 9.83,40.462 15.704,40.462 18.498,43.256 18.625,43.383 24.654,43.383 24.781,43.256 29.607,38.43 78.081,38.43 78.978,39.327 J3.31
LCD_DB16: J3.32 J4.30 | length 74.7
  Top Layer w0.203: J4.30 9.64,42.938 9.64,41.541 v1(9.652,41.529)
  Bottom Layer w0.203: v1(9.652,41.529) 10.312,40.869 15.535,40.869 18.456,43.79 24.823,43.79 24.95,43.663 29.776,38.837 77.913,38.837 78.433,39.357 78.433,40.062 J3.32
LCD_DB17: J3.33 J4.29 | length 73.1
  Top Layer w0.203: J4.29 10.144,42.934 10.144,41.926 v1(10.16,41.91)
  Bottom Layer w0.203: v1(10.16,41.91) 10.795,41.275 15.367,41.275 18.161,44.069 18.288,44.196 24.991,44.196 25.118,44.069 29.944,39.243 77.745,39.243 77.933,39.431 77.933,40.062 J3.33
LCD_DE: J3.13 J4.7 | length 78
  Top Layer w0.203: J4.7 21.137,42.941 21.137,41.695 21.247,41.585 v1(21.247,41.532)
  Bottom Layer w0.203: v1(21.247,41.532) 21.247,36.405 24.098,33.553 82.763,33.553 87.978,38.769 J3.13
LCD_HSYNC: J3.15 J4.9 | length 76.9
  Top Layer w0.203: J4.9 20.128,41.362 20.869,40.621 22.237,40.621 v1(22.256,40.64)
  Bottom Layer w0.203: v1(22.256,40.64) 22.225,40.609 22.225,36.576 24.435,34.366 79.765,34.366 79.79,34.392 82.451,34.392 86.978,38.918 J3.15
LCD_LEDA: J3.1 J4.39 | length 100
  Top Layer w0.254: J4.39 5.128,42.019 5.334,41.813 v1(5.334,41.783)
  Bottom Layer w0.254: v1(5.334,41.783) 5.334,38.608 12.09,31.852 86.97,31.852 93.978,38.86 J3.1
LCD_LEDK: J3.2 J3.3 J4.40 | length 101
  Top Layer w0.254: J4.40 4.628,41.473 5.08,41.021 v1(5.969,41.021)
  Bottom Layer w0.254: v1(5.969,41.021) 5.969,38.62 12.28,32.309 86.78,32.309 92.978,38.507 ; J3.3 92.978,38.507 ; J3.2 93.478,39.007 92.978,38.507
LCD_RST: J3.6 J4.10 | length 84.2
  Top Layer w0.203: J4.10 19.626,42.948 19.626,41.151 v1(20.038,40.739)
  Bottom Layer w0.203: v1(20.038,40.739) 20.066,40.711 20.066,36.436 23.761,32.741 86.601,32.741 91.478,37.617 J3.6
LCD_VSYNC: J3.14 J4.8 | length 77.6
  Top Layer w0.203: J4.8 20.628,41.437 21.038,41.027 21.456,41.027 21.539,41.11 21.714,41.11 v1(21.752,41.148)
  Bottom Layer w0.203: v1(21.752,41.148) 21.752,36.475 24.266,33.96 82.594,33.96 87.478,38.843 J3.14
MIC_1N: C4.1 C6.2 J2.16 | length 9.3
  Top Layer w0.254: J2.16 74.422,26.289 76.803,23.908 76.803,22.483 76.654,22.334 76.043,22.334 75.39,22.987 C6.2
MIC_1P: C3.2 C4.2 J2.14 | length 10.4
  Top Layer w0.254: C3.2 75.293,20.574 75.89,21.171 75.89,21.201 76.043,21.354 C4.2 76.226,21.507 77.448,21.507 77.597,21.656 77.597,24.638 76.835,25.4 76.835,28.067 J2.14
MIC_BIAS: C5.2 J2.12 U2.1 | length 19.6
  Top Layer w0.254: U2.1 69.889,20.366 69.889,18.817 C5.2 69.868,18.074 70.017,17.925 74.948,17.925 79.502,22.479 J2.12
NetC3_1: C3.1 U2.4 | length 2.3
  Top Layer w0.254: U2.4 73.077,20.387 C3.1
NetC11_1: C11.1 U4.10 | length 1.5
  Top Layer w0.254: U4.10 90.041,61.421 90.041,60.073 C11.1
NetC12_1: C12.1 U4.20 | length 1.6
  Top Layer w0.254: U4.20 90.541,65.325 90.541,66.683 C12.1
NetR3_1: R3.1 USB1.B5 | length 2.5
  Top Layer w0.254: R3.1 91.109,53.18 91.368,53.439 USB1.B5
NetR4_2: R4.2 USB1.A5 | length 2.5
  Top Layer w0.254: R4.2 91.148,50.259 91.328,50.439 USB1.A5
SCL2_M0: J1.3 R2.1 U3.3 U4.23 | length 18.9
  Top Layer w0.254: v1(89.027,66.167) 89.027,66.207 89.171,66.351 89.171,66.725 89.133,66.764 89.133,66.835 88.638,66.835 88.489,66.984 88.489,68.139 88.392,68.236 88.392,74.041 J1.3 ; U4.23 v1@89.039,66.167 ; v1(95.504,67.437) 95.504,68.095 U3.3
  Bottom Layer w0.254: v1(89.027,66.167) 90.297,67.437 v1(95.504,67.437)
SDA2_M0: J1.5 R1.1 U3.4 U4.24 | length 22.6
  Top Layer w0.254: J1.5 85.979,74.168 85.979,68.199 87.376,66.802 R1.1@87.859,66.802 ; R1.1@87.909,66.802 88.023,66.688 88.023,66.321 88.138,66.207 v1(88.138,66.167) 88.143,66.167 88.539,65.771 U4.24@88.539,65.596 ; v1(97.536,67.437) U3.4@97.536,68.127
  Bottom Layer w0.254: v1(88.138,66.167) 88.668,65.637 89.247,65.637 90.412,66.802 96.012,66.802 96.647,67.437 v1(97.536,67.437)
TP_INT: J3.35 J5.3 | length 21.2
  Top Layer w0.254: v1@77.847,57.408 J5.3
  Bottom Layer w0.254: J3.35 76.978,56.531 v1(77.851,57.404)
TP_RST: J3.38 J5.6 | length 23
  Top Layer w0.254: v1(76.317,61.849) 76.332,61.834 76.332,60.936 J5.6
  Bottom Layer w0.254: J3.38 75.478,57.825 76.327,58.674 76.327,61.839 v1(76.317,61.849)
TP_SCL: J3.37 J5.1 | length 23.9
  Top Layer w0.254: J5.1 78.857,60.931 78.857,61.839 v1(78.867,61.849)
  Bottom Layer w0.254: J3.37 75.978,57.436 78.867,60.325 v1(78.867,61.849)
TP_SDA: J3.36 J5.2 | length 21.6
  Top Layer w0.254: J5.2 78.347,59.768 78.377,59.738 v1(78.377,58.928)
  Bottom Layer w0.254: J3.36 76.478,57.047 78.359,58.928 v1(78.377,58.928)
USB_N: U1.2 USB1.A7 USB1.B7 | length 11.5
  Top Layer w0.254: U1.2 87.39,51.943 86.741,51.294 86.741,50.06 86.89,49.911 88.637,49.911 89.665,50.939 USB1.B7 92.607,50.941 93.273,50.941 93.51,51.177 93.51,51.701 93.273,51.937 92.607,51.937 USB1.A7
USB_P: U1.1 USB1.A6 USB1.B6 | length 6.9
  Top Layer w0.254: U1.1 88.146,50.673 88.413,50.94 88.413,50.948 88.906,51.441 91.68,51.441 ; USB1.A6 USB1.A6 91.68,51.441 ; USB1.B6 92.603,52.437 91.829,52.437 91.68,52.288 91.68,51.441
pads on no net: J1.12 J1.13 J1.15 J1.16 J1.18 J1.19 J1.21 J1.22 J1.23 J1.24 J1.26 J2.9 J2.11 J2.13 J2.15 J2.17 J2.19 J2.20 J2.21 J2.22 J2.23 J2.24 J3.7 J3.8 J3.9 J3.10 J3.11 J4.1 J4.2 J4.3 J4.4 J4.6 U1.4 U3.1 U3.6 U4.1 U4.2 U4.3 U4.4 U4.5 U4.6 U4.7 U4.11 U4.12 U4.14 U4.15 U4.16 U4.17 U4.19 U4.21 U4.22 USB1. USB1.A8 USB1.B8 USB1.Shell@93.18,47.369 USB1.Shell@93.18,56.009 USB1.Shell@97.36,47.369 USB1.Shell@97.36,56.009 VR1.0

## Polygon pours and split planes (outlines as drawn)
GND on Bottom Layer "GND_L02_P001" (solid, pour order 1): 0,0 0,45.212 69.088,45.212 69.088,70.993 59.944,70.993 59.944,78.105 99.06,78.105 99.06,0
GND on Top Layer "GND_L01_P000" (solid, pour order 0): 0,0 0,45.212 69.088,45.212 69.088,70.993 59.944,70.993 59.944,78.105 99.06,78.105 99.06,0

## Keep-outs
Keep-Out Layer:
  lines w0.127: 0,0 99.06,0 99.06,78.105 59.944,78.105 59.944,70.993 69.088,70.993 69.088,53.848 69.088,45.212 0,45.212 0,0

## Silkscreen, mask and mechanical layers (free items; w line width, h text height)
Top Overlay:
  circle w0.254: c84.963,9.53 r10
  circle w0.254: c57.023,9.53 r10
Top Courtyard:
  lines w0.1: -21.718,25.185 99.052,25.185 ; 4.282,25.185 4.282,72.185 24.282,72.185 24.282,47.2 ; 24.282,25.2 24.282,47.2 ; 52.282,25.2 52.282,47.2 24.282,47.2 ; 71.052,25.185 71.052,50.185 84.052,50.185 84.052,25.185 ; 75.555,50.207 75.555,70.292 79.555,70.292 79.555,50.207

## Text inside footprints (layer, text, board x,y; h text height)
J3: Bottom Overlay "1" at 94.667,39.586 h0.89 r270
J4: Top Overlay "1" at 24.817,43.472 h0.89 r270
J5: Top Overlay "1" at 79.384,61.544 h0.89 r270